# Allegro board KIT_PSE84_AI_PSOC_Edge_E84_AI_Board_Layout.brd (continued)
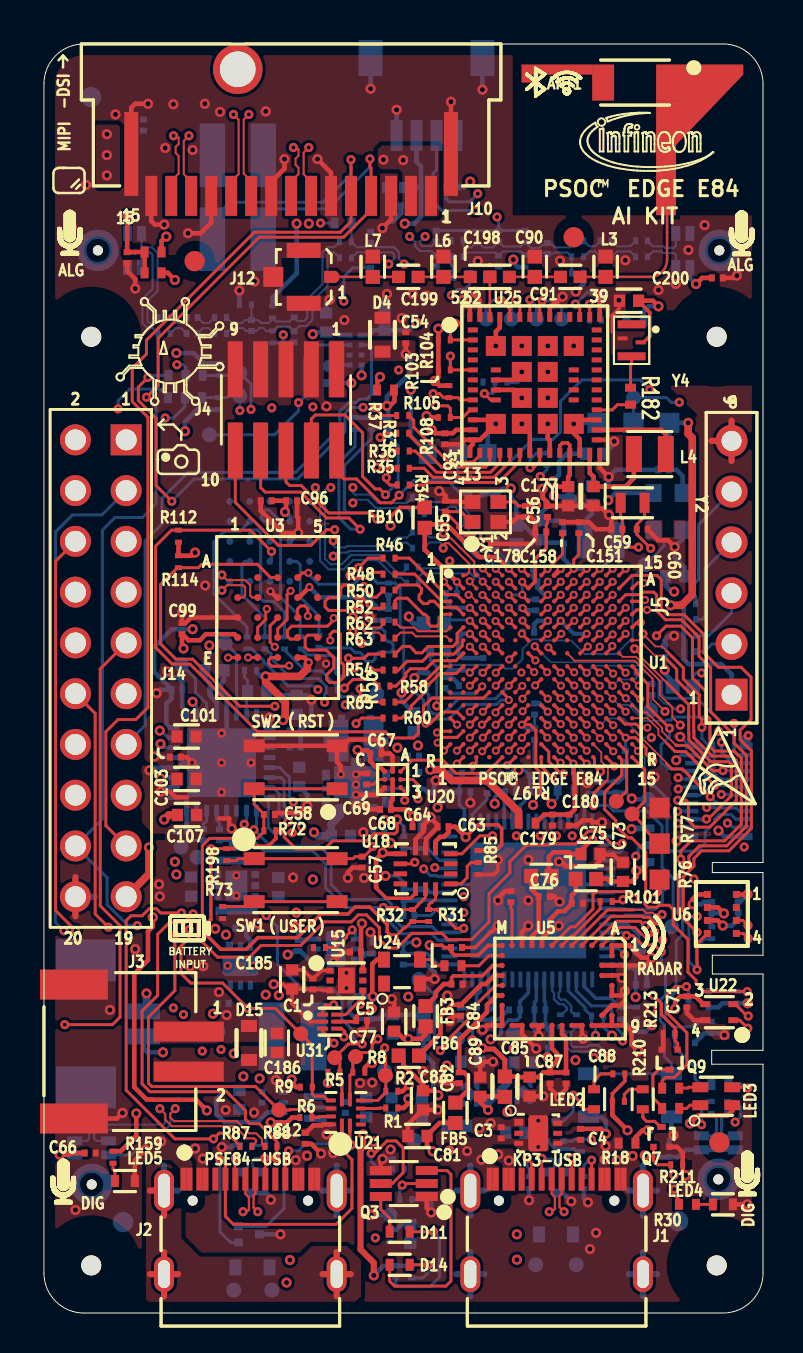
[diagram p0: board, top side]
## Routing (per net, layer and track width the routed paths; a pad name or vN(x,y) marks a point on that pad's centre or on a via; arc(x,y) is an arc through that point) (continued)
AMIC2_CTB_REF: length 34.9
  TOP w0.089: v1(29.15,31.35) U1.J14
  L04_SIG2 w0.089: 31.17,31.71 29.51,31.71 v1(29.15,31.35)
  L04_SIG2 w0.157: v2(20.4,50.93) 21.26,51.79 27.44,51.79 27.58,51.66 28.57,51.66 30.12,50.11 30.12,50.1 31.06,49.16 31.06,49.09 31.08,49.07 31.08,42.29 32.39,40.98 32.39,33.21 31.73,32.55 31.73,32.28 31.17,31.71
  BOTTOM w0.15: R228.1 21.3,51.47 21.05,51.21 20.68,51.21 v2(20.4,50.93)
AMIC_1V8: length 44
  TOP w0.229: v3(4.18,54.9) 4.18,54.43 4.17,54.42 C118.1 4.56,53.08 4.56,53.09 R124.2 R224.2 ; v3(32.64,51.49) 32.94,51.79 C126.1
  L03_SIG1 w0.229: v3(12.65,54.51) 12.65,53.01 13.89,51.77 20.85,51.77 21.03,51.94 22.73,51.94 v3(23.5,52.71)
  L04_SIG2 w0.229: v3(12.65,54.51) 11.52,54.51 11.12,54.9 v3(4.18,54.9) ; v3(23.5,52.71) 24.08,53.29 30.84,53.29 v3(32.64,51.49)
  BOTTOM w0.229: U10.2 v3(4.18,54.9) ; U9.2 32.33,51.8 v3(32.64,51.49) ; v3(23.5,52.71) 23.5,52.56 23.72,52.33 R134.1 ; R125.1 11.45,50.82 12.65,52.02 v3(12.65,54.51)
BOOT: length 36.6
  TOP w0.15: v1(25.2,28.79) 25.2,28.81 U1.N8
  L04_SIG2 w0.089: 30.28,39.29 30.86,38.71 31.17,38.71 ; v1(25.2,28.79) 25.53,29.12 25.53,29.61 25.54,29.62 25.54,30.21 25.73,30.4 25.97,30.4 26.18,30.62 26.18,30.85 26.2,30.87 26.2,30.87 26.39,31.06 28.6,31.06 28.79,31.25 28.79,31.54 28.96,31.7 29.24,31.7 29.25,31.71 29.25,31.71 29.47,31.93 30.33,31.93 31.17,32.77
  L04_SIG2 w0.157: 31.17,32.77 31.42,33.02 31.57,33.02 32.13,33.59 32.13,38.31 31.73,38.71 31.17,38.71 ; v2(30.33,46.2) 30.04,45.91 30.04,39.53 30.28,39.29
  BOTTOM w0.15: R189.1 22.55,41.8 24.46,43.71 25.48,43.71 25.86,44.1 25.86,45.62 26.92,46.69 29.84,46.69 v2(30.33,46.2)
BT_DEV_WAKE: length 19
  TOP w0.15: U25.40 27.32,50.46 v2(27.3,50.47) ; v1(30.19,35.18) 29.66,35.18 U1.D15
  L03_SIG1 w0.089: 28.66,39.41 28.66,38.42 30.51,36.58 30.51,35.5 30.44,35.43 v1(30.19,35.18)
  L03_SIG1 w0.157: v2(27.3,50.47) 27.3,43.51 28.66,42.16 28.66,39.41
  BOTTOM w0.15: v2(27.3,50.47) 27.3,50.04 27.31,50.04 R106.2
BT_HOST_WAKE: length 22.4
  TOP w0.15: U25.41 26.82,50.26 v2(26.6,50.48) ; U1.D14 v1(29.12,35.29)
  L03_SIG1 w0.089: 28.98,39.29 28.98,38.39 30.71,36.66 30.71,35 30.55,34.84 30.02,34.84 29.58,35.29 v1(29.12,35.29)
  L03_SIG1 w0.157: v2(26.6,50.48) 27.03,50.9 27.53,50.9 27.97,50.47 27.97,43.41 28.98,42.39 28.98,39.29
  BOTTOM w0.15: v2(26.6,50.48) 27.2,51.08 R107.2
BT_REG_ON: length 22.7
  TOP w0.15: v2(19.48,46) 19.8,46 20,45.8 R105.2 20.72,45.8 20.84,45.69 U25.8 ; U1.E14 v1(29.12,34.64)
  L04_SIG2 w0.089: 27.36,39.29 27.36,38.99 28.79,37.55 28.79,37.1 29.49,36.41 29.49,35.01 v1(29.12,34.64)
  L04_SIG2 w0.157: 27.36,39.29 27.36,45.1 26.05,46.41 21.46,46.41 21.06,46 v2(19.48,46)
BT_UART_CTS_MCU_RTS: length 20.9
  TOP w0.15: v2(22.89,50.67) 23.32,50.24 U25.48 ; U1.A14 v1(29.12,37.24)
  L03_SIG1 w0.089: 27.86,39.29 27.86,38.86 29.12,37.61 v1(29.12,37.24)
  L03_SIG1 w0.157: 27.86,39.29 27.86,42.47 26.95,43.38 26.95,49.32 25.14,51.13 23.34,51.13 v2(22.89,50.67)
  BOTTOM w0.15: v2(22.89,50.67) 22.48,50.67 22.14,50.33 TP55.1
BT_UART_RTS_MCU_CTS: length 21.8
  TOP w0.15: v1(30.08,35.68) 30.02,35.61 U1.C15 ; U25.47 23.82,50.52 23.67,50.67 v2(23.62,50.67)
  L04_SIG2 w0.089: 28.73,39.29 28.73,38.43 30.4,36.75 30.4,36 v1(30.08,35.68)
  L04_SIG2 w0.157: 28.73,39.29 28.73,42.01 28.07,42.67 28.07,48.34 26.9,49.51 24.79,49.51 v2(23.62,50.67)
  BOTTOM w0.15: TP56.1 23.39,50.45 v2(23.62,50.67)
BT_UART_RX_MCU_TX: length 17.9
  TOP w0.15: v2(24.94,50.65) 24.92,50.62 24.92,50.55 24.82,50.45 U25.45 ; U1.A13 v1(28.47,37.24)
  L03_SIG1 w0.089: 27.53,39.29 27.53,38.79 28.47,37.85 v1(28.47,37.24)
  L03_SIG1 w0.157: v2(24.94,50.65) 25.68,49.91 25.68,43.89 27.53,42.04 27.53,39.29
  BOTTOM w0.15: TP53.1 25.91,50.29 25.55,50.65 v2(24.94,50.65)
BT_UART_TX_MCU_RX: length 20.7
  TOP w0.15: v2(24.32,50.7) U25.46 ; U1.B15 29.71,36.53 v1(30.02,36.53)
  L03_SIG1 w0.089: 27.2,39.29 27.2,38.63 27.49,38.34 27.49,37.1 27.68,36.91 27.99,36.91 28.14,36.75 28.14,36.45 28.33,36.26 29.76,36.26 v1(30.02,36.53)
  L03_SIG1 w0.157: v2(24.32,50.7) 24.32,44.54 27.2,41.66 27.2,39.29
  BOTTOM w0.15: v2(24.32,50.7) 24.65,50.37 TP54.1
DISP_VDD_3V3:
  vias: v3(16.99,57.71) v3(17.98,57.68)
DSI_CLK_N: length 37
  TOP w0.102: J10.11 9.37,56.62 9.74,56.99 9.74,59.71 v2(9.49,59.97)
  L03_SIG1 w0.102: v2(15.46,40.54) 15.3,40.7 14.76,40.7 14.54,40.49 11.89,40.49 8.13,44.25 8.13,50.68 6.58,52.23 6.58,55.52 6.87,55.81 7.24,55.81 7.57,55.49 7.72,55.49 7.86,55.63 7.86,55.77 7.53,56.1 7.53,56.48 7.84,56.79 8.22,56.79 8.55,56.46 8.69,56.46 8.83,56.61 8.83,56.75 8.51,57.08 8.51,57.45 9.73,58.68 9.73,59.73 v2(9.49,59.97)
  BOTTOM w0.102: R66.1 18.17,40.28 16.62,40.28 16.2,40.69 15.62,40.69 v2(15.46,40.54)
DSI_CLK_P: length 36.9
  TOP w0.102: v2(10.26,59.97) 10,59.71 10,57.01 10.37,56.63 J10.10
  L03_SIG1 w0.102: v2(15.46,41.31) 15.46,41.09 15.36,40.99 14.64,40.99 14.42,40.77 12.01,40.77 8.41,44.37 8.41,50.8 6.86,52.35 6.86,55.41 6.98,55.53 7.13,55.53 7.46,55.21 7.83,55.21 8.14,55.51 8.14,55.89 7.81,56.22 7.81,56.36 7.96,56.51 8.1,56.51 8.43,56.18 8.81,56.18 9.12,56.49 9.12,56.87 8.79,57.19 8.79,57.34 10.01,58.56 10.01,59.73 v2(10.26,59.97)
  BOTTOM w0.102: R67.1 18.17,40.53 16.72,40.53 16.31,40.95 15.57,40.95 15.46,41.05 v2(15.46,41.31)
DSI_DATA0_N: length 36.9
  TOP w0.102: J10.8 12.37,56.62 12.74,56.99 12.74,57.3 12.59,57.45 12.59,57.76 12.74,57.91 12.74,58.21 12.64,58.32 v2(12.49,58.32)
  L03_SIG1 w0.102: v2(12.49,58.32) 12.69,58.32 12.79,58.42 12.79,59.02 12.68,59.13 11.63,59.13 11.07,58.57 11.07,57.21 9.09,55.23 9.09,49.48 9.27,49.3 9.27,49 9.09,48.82 9.09,48.39 9.27,48.21 9.27,47.91 9.09,47.73 9.09,47.42 9.27,47.24 9.27,46.94 9.09,46.75 9.09,46.1 9.27,45.92 9.27,45.62 9.09,45.44 9.09,44.65 11.12,42.62 13.5,42.62 14.05,42.08 14.05,41.4 14.15,41.3 v2(14.36,41.3)
  BOTTOM w0.102: R70.1 18.14,37.22 17.98,37.05 17.69,37.05 16.82,37.92 15.37,37.92 14.91,37.47 14.34,37.47 14.07,37.74 14.07,41.2 14.17,41.3 v2(14.36,41.3)
DSI_DATA0_P: length 36.9
  TOP w0.102: v2(13.26,58.32) 13,58.06 13,56.98 13.37,56.61 J10.7
  L03_SIG1 w0.102: v2(13.26,58.32) 13.08,58.5 13.08,59.14 12.8,59.41 11.52,59.41 10.79,58.69 10.79,57.33 8.81,55.35 8.81,44.53 11,42.34 13.39,42.34 13.76,41.96 13.76,41.48 v2(13.59,41.3)
  BOTTOM w0.102: v2(13.59,41.3) 13.82,41.07 13.82,37.63 14.24,37.21 15.01,37.21 15.47,37.67 16.71,37.67 17.58,36.8 17.87,36.8 R71.1
DSI_DATA1_N: length 37
  TOP w0.102: J10.14 6.37,56.64 6.74,57.01 6.74,57.89 6.59,58.04 6.59,58.34 6.74,58.5 6.74,58.8 6.64,58.9 v2(6.49,58.9)
  L03_SIG1 w0.102: v2(6.49,58.9) 6.7,58.9 6.8,59.01 6.8,59.44 6.63,59.61 5.86,59.61 5.61,59.36 5.61,52.07 7.7,49.99 7.7,49.48 7.88,49.3 7.88,49 7.7,48.82 7.7,48.37 7.88,48.18 7.88,47.88 7.7,47.7 7.7,47.37 7.88,47.19 7.88,46.89 7.7,46.71 7.7,46.26 7.88,46.08 7.88,45.77 7.75,45.64 7.75,43.99 10.24,41.5 10.24,40.5 12.44,38.3 14.38,38.3 14.48,38.41 v2(14.48,38.64)
  BOTTOM w0.102: R68.1 18.17,38.8 17.69,38.8 17.27,38.38 15.18,38.38 15.1,38.3 14.58,38.3 14.48,38.41 v2(14.48,38.64)
DSI_DATA1_P: length 37
  TOP w0.102: v2(7.26,58.9) 7,58.65 7,56.99 7.37,56.61 J10.13
  L03_SIG1 w0.102: v2(7.26,58.9) 7.09,59.07 7.09,59.55 6.75,59.89 5.75,59.89 5.33,59.48 5.33,51.95 7.41,49.87 7.41,45.81 7.47,45.76 7.47,43.88 9.96,41.39 9.96,40.39 12.32,38.02 14.33,38.02 v2(14.48,37.87)
  BOTTOM w0.102: v2(14.48,37.87) 14.66,38.05 15.2,38.05 15.28,38.13 17.38,38.13 17.79,38.54 18.17,38.54 R69.1
ECO_IN: length 9.8
  TOP w0.15: v1(23.28,36.59) 23.34,36.53 23.34,36.52 U1.B6 ; C55.1 20.12,40.1 ; 20.12,40.1 20.88,40.1 21.4,39.58 Y1.1 ; 20.12,40.1 20.12,40.06 20.72,39.46 20.72,39.3 21.11,38.9 v2(21.71,38.9)
  L03_SIG1 w0.089: v1(23.28,36.59) 23.52,36.83 23.52,36.84 23.6,36.91 24.05,36.91 24.24,37.1 24.24,37.11 24.28,37.14
  L03_SIG1 w0.157: 24.28,37.14 24.28,38.53 23.63,39.19 22,39.19 v2(21.71,38.9)
ECO_OUT: length 9.2
  TOP w0.15: U1.F8 v1(25.22,33.99) ; Y1.3 23.55,40.58 23.75,40.38 C56.1 24.6,40.38 v2(24.66,40.44)
  L03_SIG1 w0.157: v2(24.66,40.44) 24.66,40.03 24.59,39.96 24.59,34.62 v1(25.22,33.99)
EXT_CLK: length 7.2
  TOP w0.15: v1(21.93,28.11) 21.94,28.11 U1.P4
  L03_SIG1 w0.089: v2(19.66,30.38) 19.66,30.38 20.14,29.9 20.14,29.39 20.47,29.06 21.13,29.06 21.18,29.11 21.45,29.11 21.64,28.92 21.64,28.47 21.69,28.43 21.69,28.35 v1(21.93,28.11)
  BOTTOM w0.15: v2(19.66,30.38) 19.66,32.32 19.34,32.65 R218.2
I2C_SCL_1V8: length 151.8
  TOP w0.089: U1.H7 24.53,32.07 v1(24.54,32.07) ; U18.13 19.1,20.96
  TOP w0.15: U22.2 34.51,15.45 34.61,15.45 35.2,14.86 v2(35.26,14.86) ; v2(35.26,18.74) 35,18.99 U6.4 ; v2(16.98,20.29) 17.69,20.29 17.79,20.19 R32.1 18.5,20.19 18.75,20.44 18.75,20.46 19.1,20.8 19.1,20.96
  L03_SIG1 w0.157: v2(35.26,14.86) 34.76,15.35 33.93,15.35 32.26,17.02 32.26,18.34 32.61,18.69 34.8,18.69 34.85,18.74 v2(35.26,18.74) ; v2(23.65,23.88) 23.22,23.45 23.22,13.94 22.36,13.08 22.36,13.08 20.56,11.28 19.9,11.28 19.9,11.28 19.2,11.28 18.19,12.29 17.35,12.29 16.64,13 15.87,13 15.44,12.58 8.46,12.58 v2(7.92,13.11) 8.21,13.4 8.34,13.4 9.54,14.6 9.54,15.52 10.06,16.03 10.06,19.98 10.89,20.8 15.88,20.8 16.39,20.29 v2(16.98,20.29) ; v2(3.71,45.24) 3.05,44.58 3.05,40.34 3.58,39.8 4.6,39.8 5.16,39.24 5.16,38.08 4.37,37.29 3.48,37.29 3.07,36.88 3.07,30.56 3.71,29.92 5.79,29.92 6.89,31.02 7.95,31.02 8.28,30.68 8.28,27.33 10.03,25.59 v2(10.03,24.45)
  L04_SIG2 w0.089: 24.64,27.82 24.64,30.65 24.91,30.92 24.91,31.7 v1(24.54,32.07)
  L04_SIG2 w0.102: v2(23.65,23.88) 23.92,24.15 23.92,25.98 24.64,26.7 24.64,27.82
  L04_SIG2 w0.157: v2(7.92,13.11) 7.14,13.11 6.07,14.18 6.07,15.44 6.31,15.68 8.07,15.68 8.39,15.36 9.41,15.36 9.93,14.83 12.32,14.83 14.14,16.66 15.29,16.66 15.6,16.97 18.76,16.97 19.4,16.33 25.34,16.33 29.41,20.39 29.69,20.39 29.9,20.6 29.9,20.88 30.28,21.26 31.44,21.26 31.79,20.92 33.72,20.92 34.83,19.8 34.83,19.16 v2(35.26,18.74)
  BOTTOM w0.15: U28.10 10.14,24.66 10.06,24.57 10.06,24.49 v2(10.03,24.45) 10.03,24.09 11,23.12 13.46,23.12 14.1,22.48 14.1,21.29 15.09,20.29 v2(16.98,20.29) 16.98,19.88 17.02,19.85 17.02,19.84 17.88,18.97 19.41,18.97 19.74,18.64 U2.38 ; R223.2 6.2,45.87 5.88,46.2 5.8,46.2 5.77,46.23 4.29,46.23 3.71,45.64 v2(3.71,45.24)
I2C_SCL_3V3: length 105.5
  TOP w0.15: v1(25.87,29.47) 25.84,29.47 U1.M9 ; v2(15.37,57.71) 15.37,57.28 15.37,57.27 J10.5 15.37,54.62 14.83,54.08 10.53,54.08 5.13,48.68 5.13,47.98 4.42,47.27 4.42,45.6 5.21,44.82 5.21,30.3 4.6,29.69 3.71,29.69 3.1,29.08 3.1,24.39 J14.17
  L03_SIG1 w0.157: v2(15.37,57.71) 15.9,57.18 20.13,57.18 21.31,56.01 v2(21.71,56.01)
  L04_SIG2 w0.089: 31.17,31.12 30.94,31.12 30.15,30.33 29.78,30.33 29.68,30.42 28.98,30.42 28.97,30.41 27.32,30.41 27.3,30.4 27.01,30.4 27,30.39 26.41,30.39 26.19,30.17 26.19,29.79 26.12,29.71 v1(25.87,29.47)
  L04_SIG2 w0.157: 31.17,31.12 31.99,31.94 31.99,32.44 32.65,33.1 32.65,41.09 31.34,42.4 31.34,49.18 31.32,49.2 31.32,49.26 30.38,50.21 30.38,50.22 28.37,52.22 22.67,52.22 22.05,52.85 22.05,55.67 v2(21.71,56.01)
  BOTTOM w0.15: v2(21.71,56.01) 21.31,55.6 20.27,55.6 20.12,55.75 R207.1 20.12,57.26 20.65,57.79 J7.4 ; J16.2 8.43,54.69 9.32,55.58 13.97,55.58 15.37,56.97 v2(15.37,57.71)
I2C_SDA_1V8: length 147.4
  TOP w0.089: U18.14 19.6,20.96
  TOP w0.15: v1(24.59,31.4) 24.59,31.4 U1.J8 ; v2(35.24,19.39) 34.98,19.64 U6.3 ; v2(6.4,40.62) 5.61,41.4 5.61,44.77 4.73,45.65 4.73,46.33 v2(5.21,46.81) ; v2(35.23,14.25) 34.83,14.65 34.51,14.65 U22.1 ; 19.6,20.96 19.6,20.73 19.42,20.55 19.38,20.55 19.25,20.42 R31.1 19.67,20.19 20.61,19.25 v2(21.02,19.25)
  L03_SIG1 w0.089: 21.47,32.98 22.26,32.98 22.41,32.83 22.83,32.83 22.87,32.88 22.87,32.88 23.11,33.11 23.39,33.11 23.62,32.88 23.62,32.56 23.56,32.5 23.56,31.89 23.75,31.71 24.28,31.71 v1(24.59,31.4) ; v2(15.98,45.31) 15.98,45.31
  L03_SIG1 w0.152: 21.47,32.98 21.17,32.98 18.71,35.44 18.71,42.79 16.54,44.96 16.39,44.96 16.03,45.31 15.98,45.31
  L03_SIG1 w0.157: v2(35.24,19.39) 34.86,19 33.82,19 33.34,19.48 32.33,19.48 31.8,18.95 31.8,15.95 32.82,14.94 34.54,14.94 v2(35.23,14.25) ; v2(8.86,13.18) 9.8,14.12 9.8,15.41 11.51,17.11 11.51,19.74 12.24,20.47 15.82,20.47 16.42,19.88 17.12,19.88 17.17,19.92 20.34,19.92 v2(21.02,19.25) ; v2(10.51,24.18) 10.51,26.29 9.45,27.36 9.45,30.68 7.59,32.54 6.93,32.54 6.4,33.07 v2(6.4,40.62)
  L04_SIG2 w0.157: v2(8.86,13.18) 8.26,12.57 7.16,12.57 5.81,13.93 5.81,15.54 6.2,15.93 8.25,15.93 8.53,15.65 10.31,15.65 10.59,15.37 11.77,15.37 13.52,17.12 14.63,17.12 14.89,17.38 15.61,17.38 15.76,17.23 25.71,17.23 28.62,20.14 28.62,20.83 28.98,21.18 29.83,21.18 30.17,21.52 31.55,21.52 31.89,21.18 34.04,21.18 35.24,19.98 v2(35.24,19.39)
  BOTTOM w0.15: v2(21.02,19.25) 21.03,19.24 21.03,19.19 20.88,19.04 U2.39 19.72,19.04 19.69,19.08 19.68,19.08 19.43,19.33 17.91,19.33 17.39,19.85 17.39,20.46 17.15,20.69 15.12,20.69 14.38,21.44 14.38,22.79 13.79,23.37 11.32,23.37 v2(10.51,24.18) 10.59,24.26 10.59,24.38 10.64,24.43 U28.9 ; v2(6.4,40.62) 7.52,41.73 12.7,41.73 15.06,44.1 15.06,45.01 15.37,45.31 v2(15.98,45.31) ; v2(5.21,46.81) 5.36,46.81 5.46,46.91 R220.2
I2C_SDA_3V3: length 101.7
  TOP w0.15: U1.R9 25.82,27.53 v1(25.86,27.53) ; v2(16.32,57.75) 16.32,57.34 16.37,57.29 J10.4 16.37,55.2 15,53.83 10.77,53.83 5.71,48.77 5.71,46.41 v2(5.13,45.82)
  L03_SIG1 w0.157: v2(21.59,55.17) 22,55.17 22.2,55.37 22.2,56.34 20.32,58.22 16.79,58.22 v2(16.32,57.75)
  L04_SIG2 w0.089: 25.96,25.66 25.96,26.49 26.33,26.87 26.33,27.19 25.98,27.53 v1(25.86,27.53)
  L04_SIG2 w0.102: 25.3,23.77 25.3,24.03 25.96,24.69 25.96,25.66
  L04_SIG2 w0.157: 25.3,23.77 24.63,23.11 24.63,22.52 23.19,21.08 23.19,20.5 21.56,18.87 20.33,18.87 19.72,19.49 16.83,19.49 16.18,20.13 14.21,20.13 12.98,18.9 11.89,18.9 11.24,18.25 6.2,18.25 6.2,18.25 5.8,18.25 v2(4.67,19.38)
  BOTTOM w0.15: J7.3 19.65,57.19 19.47,57.02 R206.1 19.47,55.61 19.91,55.17 v2(21.59,55.17) ; v2(5.13,45.82) 5.61,45.34 5.61,40.49 4.93,39.8 3.56,39.8 2.92,39.17 2.92,24.71 J14.18 3.16,21.78 3.16,20.43 4.22,19.38 v2(4.67,19.38) ; J16.4 10.97,54.69 11.53,55.25 14.22,55.25 16.32,57.34 v2(16.32,57.75)
I2S_TX_FSYNC: length 32.5
  TOP w0.15: v1(22.61,34.62) 22.63,34.62 U1.E5
  L03_SIG1 w0.089: 19.9,36.07 20.61,36.07 20.83,36.29 21.5,36.29 21.63,36.16 21.63,35.43 21.64,35.42 21.64,35.15 21.83,34.96 22.23,34.96 22.41,34.78 22.44,34.78 v1(22.61,34.62)
  L03_SIG1 w0.157: v2(20.31,37.63) 19.93,37.63 19.59,37.28 19.59,36.38 19.9,36.07
  L04_SIG2 w0.089: v2(20.31,37.63) 19.69,37.01 19.25,37.01 18.72,36.48
  L04_SIG2 w0.157: 18.72,36.48 16.66,34.42 16.3,34.42 14.83,32.94 14.83,32.64 14.32,32.13 12.52,32.13 10.8,30.41 10.8,24.47 10.92,24.35 10.92,23.62 11.1,23.45 12.69,23.45 12.9,23.66 v2(12.9,24.33)
  BOTTOM w0.15: v2(12.9,24.33) 12.9,24.49 12.02,25.37 12.02,26.63 11.87,26.78 U28.6
I2S_TX_MCK: length 32.5
  TOP w0.15: U1.D4 v1(21.97,35.29)
  L04_SIG2 w0.089: 20.55,35.61 21.45,35.61 21.47,35.6 21.66,35.6 v1(21.97,35.29)
  L04_SIG2 w0.157: 20.55,35.61 20.42,35.61 20.19,35.38 19.96,35.38 19.42,35.92 19.2,35.92 19.04,35.76 19.04,35.53 19.58,34.99 19.58,34.77 18.62,33.81 18.35,33.81 17.96,34.2 17.74,34.2 17.54,34 17.54,33.78 17.96,33.37 17.96,33.14 17.73,32.92 17.43,32.92 17.16,33.2 16.94,33.2 16.72,32.97 16.72,32.75 16.96,32.5 16.96,32.28 16.18,31.5 16.18,31.09 15.94,30.84 14.92,30.84 13.8,29.73 13.58,29.73 12.66,30.66 12.43,30.66 12.21,30.43 12.21,30.21 13.14,29.28 13.14,29.06 12.74,28.67 12.52,28.67 11.9,29.28 11.61,29.28 11.42,29.1 11.42,28.85 12.12,28.15 12.12,26.99 11.83,26.71 11.34,26.71 11.18,26.55 11.18,26.24 11.34,26.08 11.78,26.08 12.02,25.85 12.02,25.61 11.86,25.45 11.44,25.45 11.28,25.29 11.28,24.98 11.44,24.82 11.48,24.82 11.63,24.66 11.63,24.21 11.8,24.04 v2(12.43,24.04)
  BOTTOM w0.15: U28.8 11.23,25.72 11.23,24.29 11.47,24.05 12.01,24.05 12.02,24.04 v2(12.43,24.04)
I2S_TX_SCK: length 32.5
  TOP w0.089: v1(23.95,30.74) 23.95,30.77 U1.K7
  L04_SIG2 w0.089: v1(23.95,30.74) 23.65,31.04 23.01,31.04 22.94,30.96 21.01,30.96 20.84,30.8 20.84,29.93 20.69,29.77 20.37,29.77 20.21,29.93 20.21,30.71 19.96,30.96 19.46,30.96 19.26,31.16 19.26,31.26 19.09,31.44 18.86,31.44 18.72,31.3
  L04_SIG2 w0.157: v2(12.22,24.58) 12.38,24.74 13.63,24.74 13.81,24.92 13.81,27.07 13.97,27.23 14.28,27.23 14.44,27.07 14.44,26.52 14.62,26.33 14.93,26.33 15.11,26.15 15.11,25.86 14.96,25.7 14.72,25.7 14.57,25.55 14.57,23.98 14.88,23.67 16.14,23.67 16.37,23.9 16.37,26.41 16.53,26.57 16.81,26.57 16.97,26.73 16.97,27.23 16.71,27.48 15.55,27.48 15.14,27.89 15.14,28.47 15.57,28.91 15.83,28.91 16.49,29.57 17.78,29.57 18.63,30.42 18.63,31.2 18.72,31.3
  BOTTOM w0.15: v2(12.22,24.58) 11.93,24.86 11.93,24.87 11.77,25.03 11.77,25.95 11.76,25.96 11.76,25.99 11.47,26.28 U28.7
I2S_TX_SD: length 32.6
  TOP w0.15: U1.E4 v1(21.97,34.64)
  L04_SIG2 w0.089: 20.84,34.96 20.84,34.96 21.64,34.96 v1(21.97,34.64)
  L04_SIG2 w0.157: v2(12.48,25.58) 12.48,26.66 12.64,26.82 12.92,26.82 13.08,26.98 13.08,27.29 12.92,27.45 12.64,27.45 12.48,27.61 12.48,28.04 12.83,28.38 13.05,28.38 13.68,27.76 13.9,27.76 14.12,27.98 14.12,28.2 13.49,28.83 13.49,29.05 13.72,29.28 13.94,29.28 14.57,28.65 14.82,28.65 15.03,28.86 15.03,29.08 14.39,29.72 14.39,29.94 14.61,30.17 14.83,30.17 15.18,29.82 15.4,29.82 15.88,30.29 16.1,30.29 16.36,30.03 16.58,30.03 16.81,30.25 16.81,30.51 17.23,30.93 17.23,31.16 16.85,31.54 16.85,31.76 17.07,31.98 17.3,31.98 17.68,31.6 17.9,31.6 18.08,31.79 18.08,32.5 18.31,32.73 18.53,32.73 19.97,31.29 20.31,31.29 20.47,31.45 20.47,31.78 19.03,33.22 19.03,33.53 19.18,33.68 19.4,33.68 20.42,32.67 20.62,32.67 20.91,32.95 20.91,33.12 19.99,34.04 19.99,34.26 20.68,34.96 20.84,34.96
  BOTTOM w0.15: v2(12.48,25.58) 12.48,25.66 12.29,25.85 12.29,26.8 11.81,27.28 U28.5
I3C_SCL: length 26.5
  TOP w0.15: U1.M4 21.97,29.44 21.92,29.44 v1(21.92,29.44)
  L03_SIG1 w0.089: 20.93,30.39 20.93,29.9 21.07,29.76 21.6,29.76 v1(21.92,29.44)
  L03_SIG1 w0.157: 20.93,30.39 16.74,34.58 16.74,37.24 15.38,38.6 15.38,39.51 15.89,40.02 15.89,41.46 14.14,43.21 11.05,43.21 10.1,44.16 10.1,44.87 v2(9.81,45.15)
  BOTTOM w0.15: R222.2 R205.2 9.15,45.8 9.25,45.9 TP71.1 9.81,45.9 v2(9.81,45.15)
I3C_SDA: length 27.6
  TOP w0.15: U1.L6 v1(23.27,30.09)
  L03_SIG1 w0.089: 20.79,31.71 20.79,31.41 21.44,30.76 22.61,30.76 23.27,30.1 v1(23.27,30.09)
  L03_SIG1 w0.157: v2(10.36,45.21) 10.36,44.26 11.11,43.51 14.22,43.51 16.23,41.5 16.23,39.39 17.29,38.33 17.29,34.89 18.61,33.57 18.63,33.57 19.96,32.24 20.26,32.24 20.79,31.71
  BOTTOM w0.15: v2(10.36,45.21) 10.36,46.48 TP72.1 9.58,47.04 9.45,46.91 R204.2 R221.2
IMU_INT1: length 11.9
  TOP w0.15: v2(22.45,23.87) 21.82,23.87 20.92,22.98 U18.4 ; U1.L5 22.61,30.07 v1(22.61,30.05)
  L04_SIG2 w0.089: 24.27,28.37 24.27,28.96 24.12,29.11 23.78,29.11 23.59,29.3 23.59,29.57 23.41,29.76 22.9,29.76 v1(22.61,30.05)
  L04_SIG2 w0.102: 24.27,28.37 24.27,27.91 24.16,27.8 23.05,27.8 22.78,27.53 22.78,25.77 22.99,25.56 22.99,24.41 v2(22.45,23.87)
IMU_INT2: length 8.6
  TOP w0.15: U18.9 18.39,22.48 18.42,22.51 18.51,22.51 v2(18.56,22.55) ; U1.P5 v1(22.62,28.14)
  L03_SIG1 w0.089: 21.86,26.59 22.62,27.35 v1(22.62,28.14)
  L03_SIG1 w0.157: v2(18.56,22.55) 18.94,22.94 19.06,22.94 19.06,22.94 19.19,22.94 20.88,24.63 20.88,24.64 20.96,24.72 20.96,25.69 21.86,26.59
JTAG_SEL: length 1.7
  TOP w0.15: U25.57 22.36,45.69 v2(22.04,46)
  BOTTOM w0.15: v2(22.04,46) 22.45,46 22.58,46.13 R109.2
KP_USB_DM: length 20.4
  TOP w0.114: v2(26.03,5.07) 25.81,5.3 25.81,5.86 25.91,5.97 J1.A7 ; J1.B7 v2(24.91,7.74)
  L03_SIG1 w0.114: 25.42,7.74 25.54,7.86 25.54,8.44 27.78,10.69 27.78,12.53 v2(27.53,12.78) ; 25.42,7.74 25.54,7.63 25.54,6.89 24.65,6 24.65,5.49 24.46,5.3 24.46,4.36 24.72,4.1 25.53,4.1 25.83,4.4 25.83,4.87 v2(26.03,5.07) ; 25.42,7.74 v2(24.91,7.74)
  BOTTOM w0.114: U19.1 25.29,7.05 25.54,7.3 25.54,7.61 25.43,7.72 24.93,7.72 v2(24.91,7.74) ; R28.1 26.14,14.04 26.14,13.33 26.39,13.08 27.29,13.08 27.37,13.16 27.65,13.16 27.79,13.03 v2(27.53,12.78)
KP_USB_DP: length 20.3
  TOP w0.114: v2(25.29,5.07) 25.43,5.07 25.58,5.21 25.58,5.8 25.41,5.97 J1.A6 ; J1.B6 v2(26.41,7.74)
  L03_SIG1 w0.114: v2(25.29,5.07) 25.47,5.07 25.58,4.96 25.58,4.5 25.42,4.34 24.82,4.34 24.71,4.46 24.71,5.2 24.89,5.39 24.89,5.9 25.12,6.12 25.28,6.12 25.38,6.01 25.55,6.01 25.71,6.18 25.71,6.34 25.6,6.44 25.6,6.6 25.79,6.79 25.79,7.63 25.9,7.74 ; 25.9,7.74 v2(26.41,7.74) ; 25.9,7.74 25.79,7.86 25.79,8.34 28.03,10.58 28.03,12.53 v2(28.27,12.78)
  BOTTOM w0.114: v2(26.41,7.74) 26.38,7.77 25.88,7.77 25.77,7.66 25.77,7.33 U19.2 ; R26.1 26.37,14.04 26.37,13.42 26.49,13.31 27.2,13.31 27.28,13.39 27.75,13.39 28.02,13.12 28.02,13.03 v2(28.27,12.78)
KP_VBUS:
  vias: v3(22.74,7.93) v3(23.27,7.63) v3(23.67,3.94) v3(23.67,2.67) v3(28.12,8.36) v3(28.07,7.68)
LPO_OUT_2FY: length 1.8
  TOP w0.15: U25.30 28.45,45.19 28.71,45.45 R182.2
MAG_INT: length 5.9
  TOP w0.15: U1.R5 22.13,27 20.63,27 19.97,27.66 18.42,27.66 U20.A1
MCU_UART_RX_KP3_TX: length 51.8
  TOP w0.15: U1.R2 v1(20.67,27.49)
  L03_SIG1 w0.089: 20.02,26.49 20.67,27.14 v1(20.67,27.49)
  L03_SIG1 w0.102: 20.02,26.49 19.86,26.33
  L03_SIG1 w0.157: v2(6.99,14.94) 8.53,16.49 8.97,16.49 9.7,17.22 9.7,20.44 12.25,22.99 15.46,22.99 16.76,24.28 19.43,24.28 20.11,24.96 20.11,25.65 19.86,25.89 19.86,26.33
  L04_SIG2 w0.157: v2(6.99,14.94) 7.4,14.52 12.67,14.52 14.02,15.88 15.29,15.88 16.11,16.69 18.66,16.69 19.88,15.47 27.66,15.47 28.96,14.17 28.96,14.04 28.97,14.02 v2(28.97,13.62)
  BOTTOM w0.15: v2(28.97,13.62) 28.97,13.65 28.96,13.67 28.96,13.97 28.42,14.51 28.42,15.19 28.24,15.37 27.4,15.37 26.65,16.12 U2.20
MCU_UART_TX_KP3_RX: length 51.7
  TOP w0.15: U1.P2 v1(20.67,28.14)
  L03_SIG1 w0.089: 19.15,26.59 19.15,26.87 18.98,27.04 18.98,27.33 19.18,27.53 20.02,27.53 20.04,27.56 20.09,27.56 v1(20.67,28.14)
  L03_SIG1 w0.157: 19.15,26.59 19.23,26.52 19.23,26.49 19.48,26.23 19.48,25.68 19.05,25.25 18.23,25.25 18.23,25.25 16.76,25.25 16.47,24.96 15.59,24.96 13.92,23.29 10.52,23.29 9.12,21.9 9.12,20.68 8.13,19.69 8.13,18.76 8.36,18.53 8.36,17.15 v2(6.48,15.27)
  L04_SIG2 w0.157: v2(6.48,15.27) 6.48,14.86 7.07,14.26 13.86,14.26 15.21,15.62 15.4,15.62 16.22,16.43 18.56,16.43 19.78,15.22 27,15.22 27.61,14.61 v2(27.61,13.89)
  BOTTOM w0.15: v2(27.61,13.89) 27.61,14.3 27.41,14.5 R29.1 27.09,15.18 27.09,15.28 26.25,16.12 U2.21
MCU_VDD_3V3: length 25.7
  TOP w0.15: U1.D10 v1(26.52,35.29) ; v1(26.51,27.49) 26.51,27.5 U1.R10 ; U1.B11 v1(27.17,36.59)
  TOP w0.229: v1(26.51,27.49) 26.51,27 26.57,26.94 26.57,25.19 26.31,24.94 C180.1 C179.1 25.03,24.94 R197.1
  L05_PWR w0.089: 31.17,36.09 31.08,36.09 30.26,36.91 27.49,36.91 v1(27.17,36.59) U1.B11 26.84,35.61 v1(26.52,35.29) 26.84,34.96 27.3,34.96 27.49,34.77 27.49,34.5 27.3,34.31 27.08,34.31 27.08,34.31 27.03,34.31 26.8,34.07 26.8,32.77 26.22,32.19 26.22,30.89 26.19,30.87 26.19,29.3 26.38,29.11 27.41,29.11 27.5,29.02 27.5,28.01 27.3,27.81 27.28,27.81 27.28,27.81 26.83,27.81 v1(26.51,27.49)
  L05_PWR w0.229: v3(31.55,36.09) 31.17,36.09
  BOTTOM w0.229: C139.1 31.12,36.4 31.42,36.09 v3(31.55,36.09) ; R154.2 26.56,26.65 26.52,26.7 26.52,26.99 26.51,27 v1(26.51,27.49)
MEMORY_RST: length 17.9
  TOP w0.15: U1.K5 23.26,30.75 23.26,30.68 v1(23.27,30.67) ; v1(13.23,37.03) 12.93,37.03 U3.A4
  BOTTOM w0.15: v1(13.23,37.03) 13.23,36.98 13.75,36.47 15.51,36.47 15.9,36.86 16.36,36.86 16.69,36.52 R208.1 17.58,36.52 17.83,36.27 17.83,34.42 18.01,34.24 18.01,31.65 19,30.65 19,30.11 19.4,29.72 20.27,29.72 21.01,30.46 22.67,30.46 22.89,30.67 v1(23.27,30.67)
Net_4: length 0.5
  TOP w0.15: v1(25.89,33.99) 25.57,33.66 25.54,33.66
P5LP1_2: length 13.8
  TOP w0.15: v2(30.9,18.08) 30.57,18.42 29.95,18.42 29.48,18.89 v2(29.16,18.89)
  BOTTOM w0.15: SW3.2 SW3.1 31.41,12.47 31.06,12.82 31.06,14.4 30.86,14.6 30.86,15.68 31.11,15.92 31.11,17.25 30.9,17.46 v2(30.9,18.08) ; v2(29.16,18.89) 29,19.04 U2.13
P5LP1_4: length 16.4
  TOP w0.15: v2(31.55,6.2) 31.55,5.92 31.79,5.68 R30.2
  L03_SIG1 w0.157: v2(29.06,17.93) 28.22,17.09 28.22,15.62 30.53,13.31 30.53,11.76 31.9,10.39 31.9,9.05 31.9,9.05 31.9,7.65 32.5,7.05 32.5,6.73 32.26,6.49 31.84,6.49 v2(31.55,6.2)
  BOTTOM w0.15: v2(29.06,17.93) 28.75,18.24 U2.15
P5LP_SIO_VREF: length 2.5
  BOTTOM w0.15: U2.48 19.8,22.64 19.2,23.25 R22.2 R21.2
P5LP_SWCLK: length 2.5
  BOTTOM w0.15: TP19.1 29.78,18.89 29.22,19.44 U2.12
P5LP_SWDIO: length 3.5
  BOTTOM w0.15: U2.11 29.02,19.84 29.09,19.91 30.28,19.91 30.87,19.33 TP20.1
P5LP_VCCD: length 19
  L03_SIG1 w0.229: v3(22.35,13.69) 22.35,13.98 22.71,14.33 22.71,18.79 22.3,19.2 22.3,20.98 22.05,21.24 22.05,24.47 22.17,24.6 22.17,24.63 22.56,25.02 v3(22.56,25.49)
  BOTTOM w0.178: U2.57 23.05,25.7 23.07,25.72 C45.1 22.84,26.09 22.56,25.81 v3(22.56,25.49) ; v3(22.35,13.69) 22.58,13.69 22.88,13.99 22.88,14.27 23.27,14.66 23.68,14.66 23.83,14.81 C44.1 23.83,15.6 24.25,16.02 U2.26
P5LP_VDD: length 39
  TOP w0.229: v3(30.23,9.14) 30.22,9.15 29.97,9.15 29.61,8.79 R18.1
  L04_SIG2 w0.229: v3(17.1,21.87) 17.42,21.87 17.9,21.4 19.34,21.4 20.22,22.27 20.22,24.79 v3(19.71,25.3)
  BOTTOM w0.157: v3(23.75,27.16) 23.47,27.16 23.34,27.04 23.17,27.04 23.06,26.93 21.77,26.93 21.49,26.65 21.01,26.65 20.79,26.43 C46.1
  BOTTOM w0.178: v3(29.61,15.81) 29.61,15.85 29.62,15.86 C41.1 C42.1 29.28,17.26 29.09,17.44 U2.17 ; v3(18.64,18.54) 18.2,18.54 18.17,18.52 18.16,18.52 17.98,18.34 C37.1 C38.1 19.18,17.98 19.72,17.44 U2.35 ; v3(17.1,21.87) 17.68,21.87 18.02,21.54 C35.1 C36.1 19.18,21.2 19.33,21.04 U2.44 ; U2.24 25.05,15.6 25.1,15.54 C40.1 C39.1 ; U2.59 23.85,25.4 24.08,25.63 24.08,25.82 24.32,26.07 C49.1 24.32,26.49 24.31,26.51 C48.1 24.06,27.15 23.77,27.15 v3(23.75,27.16) ; C46.1 20.79,25.44 21.05,25.19 U2.52 ; v3(29.43,25.74) 29.11,26.06 28.92,26.06 28.9,26.04 C51.1 C50.1 27.22,26.04 27.05,25.86 U2.67